# Allegro board T736_DEMO_DBOARD_V0-5-draft.brd (continued)
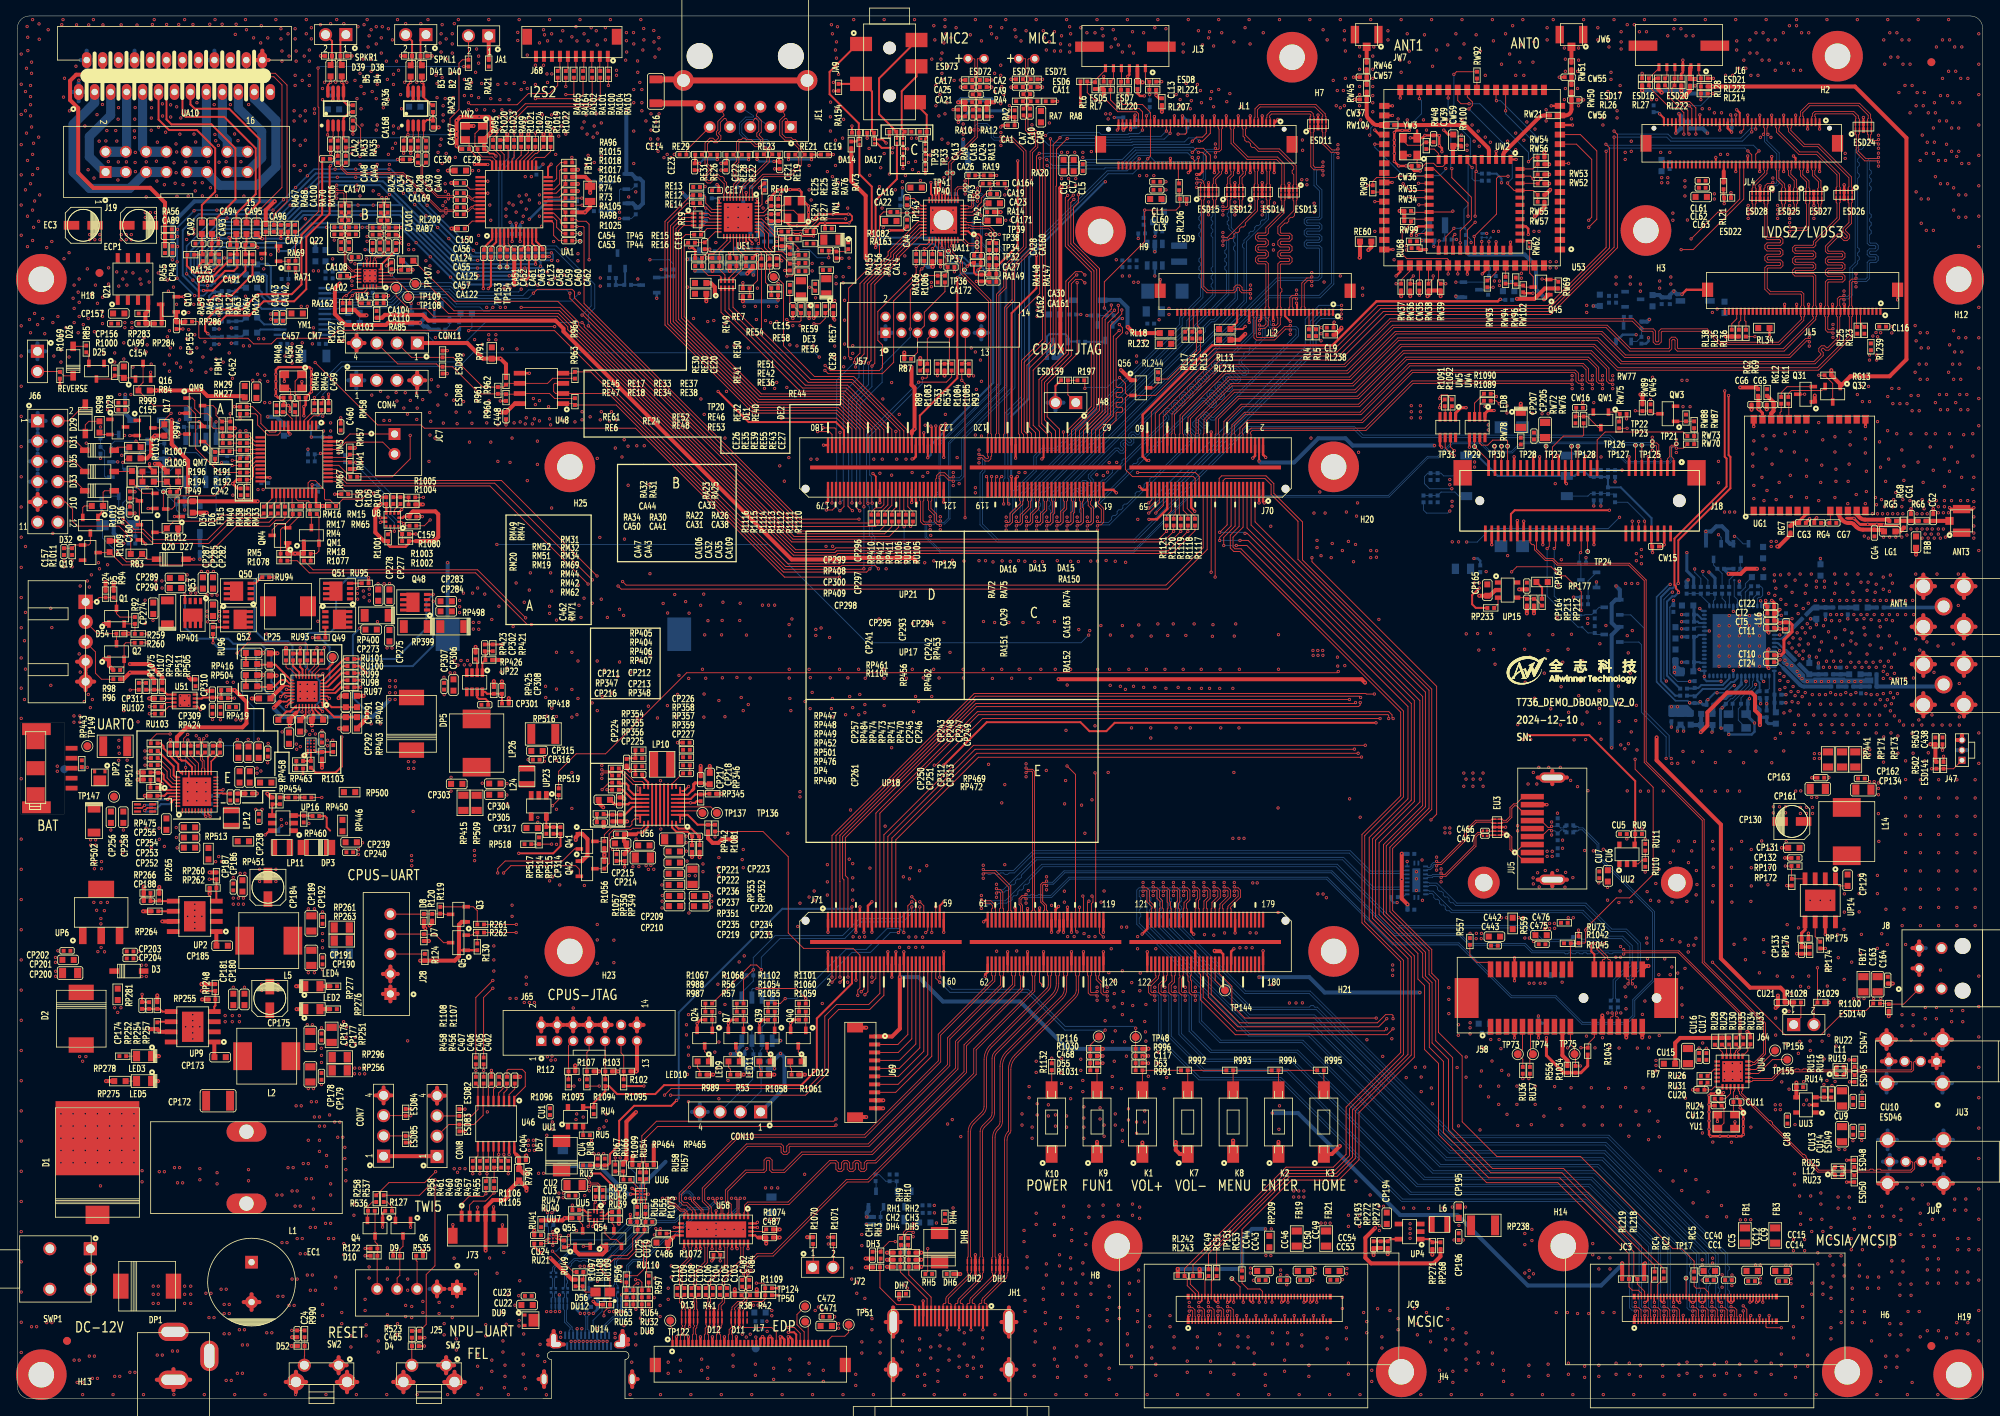
[diagram p0: board, top side]
## Routing (per net, layer and track width the routed paths; a pad name or vN(x,y) marks a point on that pad's centre or on a via; arc(x,y) is an arc through that point) (continued)
LVDS2-D1N: length 135.5
  TOP w0.102: JL4.9 223.77,160.64 223.67,160.74 223.67,161.19 224.54,162.05 230.66,162.05 231.86,160.85 231.86,160.46 231.77,160.37 ESD24.7 ESD24.4 231.77,158.51 231.86,158.41 231.86,157.8 232.28,157.38 233.03,157.38 v1(233.15,157.25) ; v1(228.83,137.73) 228.71,137.85 228.4,137.85 228.3,137.75 228.3,136.99 228.4,136.89 JL5.11 228.4,135.68 228.3,135.59 228.3,132.8 226.91,131.41 226.52,131.41 226.27,131.66 226.12,131.66 225.98,131.52 225.98,131.37 226.23,131.12 226.23,130.73 225.21,129.7 200.88,129.7 197.93,132.65 173.07,132.65 167.35,126.93 152.17,126.93 147.96,122.72 147.96,120.96 148.05,120.87 J70.34
  BOTTOM w0.102: v1(233.15,157.25) 233.03,157.38 231.55,157.38 231.26,157.09 231.26,156.81 231.04,156.59 230.76,156.59 230.54,156.37 230.54,156.07 230.74,155.87 230.74,155.56 230.54,155.36 230.54,155.06 230.74,154.86 230.74,154.55 230.54,154.35 230.54,153.65 230.74,153.45 230.74,153.15 230.54,152.95 230.54,144.3 230.74,144.1 230.74,143.79 230.54,143.59 230.54,143.29 230.74,143.09 230.74,142.78 230.54,142.58 230.54,142.28 229.87,141.61 229.87,138.3 229.42,137.85 228.96,137.85 v1(228.83,137.73)
LVDS2-D1P: length 135.5
  TOP w0.102: v1(228.83,138.28) 228.71,138.16 228.27,138.16 227.99,137.88 227.99,136.99 227.9,136.89 JL5.12 227.9,135.69 228,135.59 228,132.92 226.79,131.72 226.64,131.72 226.39,131.97 226,131.97 225.67,131.64 225.67,131.25 225.92,131 225.92,130.85 225.08,130.01 201.01,130.01 198.06,132.95 172.94,132.95 167.22,127.24 152.04,127.24 147.65,122.85 147.65,120.96 147.55,120.87 J70.36 ; JL4.11 223.27,160.64 223.37,160.74 223.37,161.32 224.41,162.36 230.78,162.36 232.17,160.97 232.17,160.46 232.27,160.37 ESD24.6 ESD24.5 232.27,158.51 232.17,158.41 232.17,157.92 232.41,157.68 233.03,157.68 v1(233.15,157.81)
  BOTTOM w0.102: v1(228.83,138.28) 228.96,138.16 229.29,138.16 229.57,138.43 229.57,141.73 230.24,142.4 230.24,156.5 231.42,157.68 233.03,157.68 v1(233.15,157.81)
LVDS2-D2N: length 137.1
  TOP w0.102: J70.40 146.55,120.87 146.65,120.96 146.65,122.96 151.73,128.04 166.89,128.04 172.61,133.76 198.53,133.76 201.47,130.81 221.95,130.81 224.03,132.89 224.36,132.89 v1(224.49,133.02) ; JL4.15 222.27,159.33 222.18,159.24 222.18,158.95 223.9,157.23 225.68,157.23 229.76,153.15 229.76,151.9 229.85,151.81 ESD26.1 ESD26.10 229.85,149.95 229.76,149.85 229.76,147.28 229.01,146.54 229.01,146.39 229.54,145.86 229.54,145.47 229.22,145.14 228.82,145.14 228.29,145.67 228.15,145.67 226.8,144.33 226.8,143.92 226.9,143.82 228.68,143.82 228.96,143.54 228.96,143.08 228.68,142.8 226.9,142.8 226.8,142.7 226.8,142.5 226.9,142.4 228.68,142.4 228.96,142.12 228.96,141.66 228.68,141.38 226.9,141.38 226.8,141.28 226.8,141.08 226.9,140.97 228.68,140.97 228.96,140.69 228.96,140.24 228.68,139.96 226.9,139.96 226.8,139.86 226.8,136.99 226.9,136.89 JL5.14 226.9,135.68 226.8,135.59 226.8,134.09 226.9,133.99 227.33,133.99 v1(227.45,134.11)
  L3 w0.102: v1(224.49,133.02) 224.63,132.88 225.46,132.88 226.55,133.97 227.31,133.97 v1(227.45,134.11)
LVDS2-D2P: length 137.1
  TOP w0.102: v1(227.45,133.55) 227.32,133.68 226.78,133.68 226.5,133.96 226.5,135.59 226.4,135.69 JL5.15 226.4,136.89 226.5,136.99 226.5,139.98 226.78,140.26 228.55,140.26 228.65,140.36 228.65,140.57 228.55,140.67 226.78,140.67 226.5,140.95 226.5,141.41 226.78,141.69 228.55,141.69 228.65,141.79 228.65,141.99 228.55,142.09 226.78,142.09 226.5,142.37 226.5,142.83 226.78,143.11 228.55,143.11 228.65,143.21 228.65,143.41 228.55,143.51 226.78,143.51 226.5,143.79 226.5,144.45 228.02,145.98 228.42,145.98 228.95,145.45 229.09,145.45 229.24,145.59 229.24,145.74 228.71,146.27 228.71,146.66 229.45,147.41 229.45,149.85 229.35,149.95 ESD26.9 ESD26.2 229.35,151.81 229.45,151.9 229.45,153.02 225.55,156.92 223.77,156.92 221.87,158.82 221.87,159.24 221.77,159.33 JL4.17 ; J70.38 147.05,120.87 146.96,120.96 146.96,122.83 151.86,127.74 167.02,127.74 172.73,133.45 198.4,133.45 201.35,130.51 222.07,130.51 224.16,132.59 224.36,132.59 v1(224.49,132.46)
  L3 w0.102: v1(224.49,132.46) 224.63,132.6 225.58,132.6 226.66,133.69 227.31,133.69 v1(227.45,133.55)
LVDS2-D3N: length 134.6
  TOP w0.102: J70.46 145.05,120.87 144.96,120.96 144.96,123.34 150.95,129.34 166.35,129.34 172.07,135.05 202.31,135.05 203.58,133.78 204.82,133.78 204.92,133.68 204.92,132.44 205.2,132.16 205.66,132.16 205.94,132.44 205.94,133.68 206.04,133.78 211.58,133.78 213.26,132.11 220.75,132.11 223.8,135.15 223.8,135.59 223.9,135.68 JL5.20 223.9,136.89 223.8,136.99 223.8,138.47 223.52,138.75 219.65,138.75 219.22,139.18 219.22,141.61 219.32,141.71 220.9,141.71 221.18,141.99 221.18,142.45 220.9,142.73 219.32,142.73 219.22,142.83 219.22,143.03 219.32,143.14 220.9,143.14 221.18,143.42 221.18,143.87 220.9,144.15 219.32,144.15 219.22,144.25 219.22,144.46 219.32,144.56 220.9,144.56 221.18,144.84 221.18,145.29 220.9,145.57 219.32,145.57 219.22,145.68 219.22,149.72 219.31,149.82 ESD28.10 ESD28.1 219.31,151.68 219.24,151.75 219.24,151.89 219.34,152 219.82,152 v1(219.92,151.89) ; JL4.27 219.27,159.33 219.18,159.24 219.18,158.59 v1(219.3,158.47)
  BOTTOM w0.102: v1(219.3,158.47) 219.18,158.34 219.18,157.68 220.71,156.15 220.71,152.3 220.43,152.02 220.05,152.02 v1(219.92,151.89)
LVDS2-D3P: length 134.6
  TOP w0.102: v1(219.92,152.45) 219.77,152.3 219.22,152.3 218.94,152.02 218.94,151.8 218.81,151.68 ESD28.2 ESD28.9 218.81,149.82 218.91,149.72 218.91,145.55 219.19,145.27 220.78,145.27 220.88,145.17 220.88,144.96 220.78,144.86 219.19,144.86 218.91,144.58 218.91,144.13 219.19,143.85 220.78,143.85 220.88,143.75 220.88,143.54 220.78,143.44 219.19,143.44 218.91,143.16 218.91,142.7 219.19,142.42 220.78,142.42 220.88,142.32 220.88,142.12 220.78,142.02 219.19,142.02 218.91,141.74 218.91,139.05 219.52,138.44 223.39,138.44 223.49,138.34 223.49,136.99 223.4,136.89 JL5.21 223.4,135.68 223.49,135.59 223.49,135.28 220.62,132.41 213.39,132.41 211.71,134.09 205.92,134.09 205.64,133.81 205.64,132.56 205.53,132.46 205.33,132.46 205.23,132.56 205.23,133.81 204.95,134.09 203.71,134.09 202.44,135.36 171.94,135.36 166.23,129.64 150.83,129.64 144.65,123.47 144.65,120.96 144.55,120.87 J70.48 ; JL4.29 218.77,159.33 218.87,159.24 218.87,158.59 v1(218.74,158.47)
  BOTTOM w0.102: v1(218.74,158.47) 218.87,158.34 218.87,157.56 220.41,156.02 220.41,152.43 220.31,152.33 220.05,152.33 v1(219.92,152.45)
LVDS3-CKN: length 103.9
  TOP w0.102: JL4.12 223.27,154.04 223.37,153.94 223.37,153.26 224.14,152.49 224.14,151.78 224.04,151.68 ESD27.5 ESD27.6 224.04,149.82 224.14,149.72 224.14,146.84 224.04,146.74 222.14,146.74 v1(222.02,146.86) ; v1(197.31,127.13) 197.19,127.25 196.8,127.25 196.52,127.53 196.52,128.96 196.04,129.45 174.45,129.45 168.34,123.34 153.86,123.34 152.46,121.94 152.46,120.96 152.55,120.87 J70.16
  L4 w0.102: v1(197.31,127.13) 197.48,127.29 197.73,127.29 197.99,127.56 197.99,128.4 201.04,131.44 208.79,131.44 214.57,137.23 214.57,137.6 214.35,137.82 214.35,137.96 214.64,138.25 214.78,138.25 215,138.03 215.38,138.03 215.83,138.48 215.83,138.86 215.61,139.08 215.61,139.22 215.9,139.51 216.04,139.51 216.26,139.29 216.63,139.29 217.09,139.74 217.09,140.12 216.87,140.34 216.87,140.48 217.16,140.77 217.3,140.77 217.52,140.55 217.89,140.55 218.34,141 218.34,141.38 218.13,141.59 218.13,141.74 218.41,142.02 218.56,142.02 218.77,141.81 219.15,141.81 219.6,142.26 219.6,142.63 219.38,142.85 219.38,142.99 219.67,143.28 219.82,143.28 220.03,143.07 220.41,143.07 220.86,143.52 220.86,143.89 220.64,144.11 220.64,144.25 220.93,144.54 221.07,144.54 221.29,144.32 221.67,144.32 222.88,145.54 222.88,146.46 222.62,146.72 222.16,146.72 v1(222.02,146.86)
LVDS3-CKP: length 104
  TOP w0.102: v1(197.31,127.69) 197.19,127.56 196.93,127.56 196.82,127.66 196.82,129.09 196.16,129.75 174.32,129.75 168.21,123.64 153.73,123.64 152.15,122.06 152.15,120.96 152.05,120.86 J70.18 ; v1(222.02,146.3) 222.14,146.43 224.17,146.43 224.45,146.71 224.45,149.72 224.54,149.82 ESD27.7 ESD27.4 224.54,151.68 224.45,151.78 224.45,152.62 223.67,153.39 223.67,153.94 223.77,154.04 JL4.10
  L4 w0.102: v1(197.31,127.69) 197.43,127.57 197.61,127.57 197.71,127.67 197.71,128.51 200.93,131.72 208.67,131.72 214.29,137.34 214.29,137.49 214.07,137.7 214.07,138.08 214.52,138.53 214.9,138.53 215.12,138.31 215.26,138.31 215.55,138.6 215.55,138.74 215.33,138.96 215.33,139.34 215.78,139.79 216.16,139.79 216.37,139.57 216.52,139.57 216.81,139.86 216.81,140 216.59,140.22 216.59,140.59 217.04,141.05 217.42,141.05 217.63,140.83 217.78,140.83 218.06,141.12 218.06,141.26 217.85,141.48 217.85,141.85 218.3,142.3 218.67,142.3 218.89,142.09 219.03,142.09 219.32,142.37 219.32,142.52 219.1,142.74 219.1,143.11 219.56,143.56 219.93,143.56 220.15,143.34 220.29,143.34 220.58,143.63 220.58,143.78 220.36,143.99 220.36,144.37 220.81,144.82 221.19,144.82 221.41,144.6 221.55,144.6 222.61,145.66 222.61,146.34 222.5,146.44 222.16,146.44 v1(222.02,146.3)
LVDS3-D0N: length 104
  TOP w0.102: v1(216.83,149.02) 216.96,148.89 217.31,148.89 217.41,149 217.41,149.72 217.31,149.82 ESD28.6 ESD28.5 217.31,151.68 217.41,151.78 217.41,152.21 218.87,153.67 218.87,153.94 218.77,154.04 JL4.30 ; v1(194.77,127.69) 194.65,127.56 174.73,127.56 168.81,121.64 154.56,121.64 154.15,121.23 154.15,120.96 154.05,120.86 J70.10
  L4 w0.102: v1(194.77,127.69) 194.91,127.55 195.07,127.55 195.17,127.65 195.17,131.69 197.88,134.39 206.26,134.39 210.6,138.73 210.6,138.87 208.86,140.62 208.86,140.99 209.31,141.44 209.68,141.44 211.42,139.7 211.57,139.7 211.86,139.99 211.86,140.13 210.11,141.88 210.11,142.25 210.56,142.7 210.94,142.7 212.68,140.96 212.83,140.96 213.11,141.25 213.11,141.39 211.37,143.13 211.37,143.51 211.82,143.96 212.2,143.96 213.94,142.22 214.08,142.22 215.52,143.65 215.52,148.34 216.07,148.88 216.69,148.88 v1(216.83,149.02)
LVDS3-D0P: length 104
  TOP w0.102: J70.8 154.55,120.87 154.46,120.96 154.46,121.11 154.69,121.34 168.94,121.34 174.85,127.25 194.65,127.25 v1(194.77,127.13) ; v1(216.83,148.46) 216.96,148.59 217.44,148.59 217.72,148.87 217.72,149.72 217.81,149.82 ESD28.7 ESD28.4 217.81,151.68 217.72,151.78 217.72,152.08 219.18,153.54 219.18,153.94 219.27,154.04 JL4.28
  L4 w0.102: v1(216.83,148.46) 216.69,148.6 216.18,148.6 215.8,148.22 215.8,143.54 214.2,141.94 213.83,141.94 212.08,143.68 211.94,143.68 211.65,143.39 211.65,143.25 213.39,141.51 213.39,141.13 212.94,140.68 212.57,140.68 210.82,142.42 210.68,142.42 210.39,142.13 210.39,141.99 212.14,140.25 212.14,139.87 211.68,139.42 211.31,139.42 209.57,141.16 209.42,141.16 209.13,140.88 209.13,140.73 210.88,138.99 210.88,138.61 206.38,134.11 197.99,134.11 195.45,131.57 195.45,127.53 195.19,127.27 194.91,127.27 v1(194.77,127.13)
LVDS3-D1N: length 103.8
  TOP w0.102: JL4.24 220.27,154.04 220.37,153.94 220.37,152.83 221.09,152.11 221.09,151.78 221,151.68 ESD25.5 ESD25.6 221,149.82 221.09,149.72 221.09,149 220.99,148.89 220.64,148.89 v1(220.52,149.02) ; v1(196.04,127.13) 195.92,127.25 195.53,127.25 195.25,127.53 195.25,128.42 195.06,128.61 174.79,128.61 168.52,122.34 154.27,122.34 153.46,121.52 153.46,120.96 153.55,120.87 J70.12
  L4 w0.102: v1(220.52,149.02) 220.66,148.88 220.97,148.88 221.36,148.49 221.36,146.05 220.23,144.92 219.85,144.92 219.23,145.54 219.09,145.54 218.8,145.25 218.8,145.11 219.42,144.49 219.42,144.11 218.97,143.66 218.59,143.66 217.97,144.28 217.83,144.28 217.54,143.99 217.54,143.85 218.16,143.23 218.16,142.85 217.71,142.4 217.34,142.4 216.71,143.02 216.57,143.02 216.28,142.74 216.28,142.59 216.91,141.97 216.91,141.59 216.45,141.14 216.08,141.14 215.46,141.77 215.31,141.77 215.03,141.48 215.03,141.33 215.65,140.71 215.65,140.34 215.2,139.89 214.82,139.89 214.2,140.51 214.06,140.51 213.77,140.22 213.77,140.08 214.39,139.45 214.39,139.08 207.52,132.21 199.14,132.21 196.75,129.82 196.75,127.53 196.48,127.27 196.18,127.27 v1(196.04,127.13)
LVDS3-D1P: length 103.9
  TOP w0.102: v1(220.52,148.46) 220.64,148.59 221.12,148.59 221.4,148.87 221.4,149.72 221.5,149.82 ESD25.7 ESD25.4 221.5,151.68 221.4,151.78 221.4,152.24 220.67,152.96 220.67,153.94 220.77,154.04 JL4.22 ; v1(196.04,127.69) 195.92,127.56 195.66,127.56 195.55,127.66 195.55,128.55 195.19,128.91 174.67,128.91 168.39,122.64 154.14,122.64 153.15,121.65 153.15,120.96 153.05,120.86 J70.14
  L4 w0.102: v1(220.52,148.46) 220.66,148.6 220.85,148.6 221.08,148.37 221.08,146.17 220.11,145.2 219.97,145.2 219.35,145.82 218.97,145.82 218.52,145.37 218.52,144.99 219.14,144.37 219.14,144.23 218.85,143.94 218.71,143.94 218.09,144.56 217.71,144.56 217.26,144.11 217.26,143.73 217.88,143.11 217.88,142.97 217.6,142.68 217.45,142.68 216.83,143.3 216.46,143.3 216,142.85 216,142.48 216.63,141.85 216.63,141.71 216.34,141.42 216.19,141.42 215.57,142.04 215.2,142.04 214.75,141.59 214.75,141.22 215.37,140.6 215.37,140.45 215.08,140.16 214.94,140.16 214.31,140.79 213.94,140.79 213.49,140.33 213.49,139.96 214.11,139.34 214.11,139.19 207.4,132.49 199.02,132.49 196.47,129.93 196.47,127.65 196.37,127.55 196.18,127.55 v1(196.04,127.69)
LVDS3-D2N: length 103.3
  TOP w0.102: J70.20 151.55,120.87 151.46,120.96 151.46,122.35 153.44,124.34 168.15,124.34 174.05,130.24 196.7,130.24 197.8,129.13 197.8,127.54 198.08,127.25 198.46,127.25 v1(198.58,127.13) ; v1(222.02,149.02) 222.14,148.89 222.49,148.89 222.59,149 222.59,149.72 222.5,149.82 ESD25.9 ESD25.2 222.5,151.68 222.59,151.78 222.59,152.64 221.87,153.36 221.87,153.94 221.77,154.04 JL4.18
  L4 w0.102: v1(222.02,149.02) 222.16,148.88 222.88,148.88 223.65,148.12 223.65,147.79 223.75,147.69 224.12,147.69 224.38,147.42 224.38,146.99 224.12,146.72 223.75,146.72 223.65,146.62 223.65,146.09 223.82,145.91 223.82,145.61 223.65,145.43 223.65,144.78 209.42,130.56 201.55,130.56 201.28,130.29 201.28,130.15 201.77,129.66 201.77,129.28 201.46,128.97 201.09,128.97 200.6,129.46 200.46,129.46 199.25,128.25 199.25,127.53 198.98,127.27 198.72,127.27 v1(198.58,127.13)
LVDS3-D2P: length 103.2
  TOP w0.102: J70.22 151.05,120.86 151.15,120.96 151.15,122.48 153.32,124.64 168.02,124.64 173.92,130.54 196.82,130.54 198.1,129.26 198.1,127.66 198.21,127.56 198.46,127.56 v1(198.58,127.69) ; JL4.16 222.27,154.04 222.18,153.94 222.18,153.49 222.9,152.77 222.9,151.78 223,151.68 ESD25.1 ESD25.10 223,149.82 222.9,149.72 222.9,148.87 222.62,148.59 222.14,148.59 v1(222.02,148.46)
  L4 w0.102: v1(222.02,148.46) 222.16,148.6 222.77,148.6 223.37,148 223.37,147.67 223.63,147.41 224,147.41 224.1,147.31 224.1,147.1 224,147 223.63,147 223.37,146.74 223.37,144.9 209.31,130.84 201.43,130.84 201,130.41 201,130.03 201.49,129.54 201.49,129.4 201.35,129.25 201.21,129.25 200.72,129.74 200.34,129.74 198.97,128.37 198.97,127.65 198.87,127.55 198.72,127.55 v1(198.58,127.69)
LVDS3-D3N: length 103.4
  TOP w0.102: JL4.6 224.77,154.04 224.87,153.94 224.87,153.29 225.64,152.51 225.64,151.78 225.54,151.68 ESD27.2 ESD27.9 225.54,149.82 225.64,149.72 225.64,149 225.54,148.89 225.19,148.89 v1(225.06,149.02) ; v1(199.85,127.13) 199.73,127.25 199.39,127.25 199.09,127.56 199.09,129.03 197.08,131.04 173.72,131.04 168.01,125.34 153.03,125.34 150.46,122.76 150.46,120.96 150.55,120.87 J70.24
  L4 w0.102: v1(199.85,127.13) 199.99,127.27 201.05,127.27 203.58,129.79 209.8,129.79 226.2,146.19 226.2,148.62 225.93,148.88 225.2,148.88 v1(225.06,149.02)
LVDS3-D3P: length 103.5
  TOP w0.102: v1(225.06,148.46) 225.19,148.59 225.67,148.59 225.95,148.87 225.95,149.72 226.04,149.82 ESD27.10 ESD27.1 226.04,151.68 225.95,151.78 225.95,152.64 225.18,153.41 225.18,153.94 225.27,154.04 JL4.4 ; v1(199.85,127.69) 199.73,127.56 199.52,127.56 199.39,127.69 199.39,129.16 197.21,131.34 173.59,131.34 167.89,125.64 152.9,125.64 150.15,122.89 150.15,120.96 150.05,120.86 J70.26
  L4 w0.102: v1(199.85,127.69) 199.99,127.55 200.94,127.55 203.47,130.07 209.69,130.07 225.92,146.3 225.92,148.5 225.82,148.6 225.2,148.6 v1(225.06,148.46)
M-4G-RST: length 168.9
  TOP w0.114: v1(71.5,102.1) 59.2,114.4 40.99,114.4 39.91,115.48 UM3.38 ; v1(187.2,103.63) 187.83,104.27 192.15,104.27 193.29,103.12 193.93,103.12 195.92,101.14 v1(195.92,98.8)
  L3 w0.114: v1(71.5,102.1) 74.06,102.1 76.39,104.43 110.53,104.43 110.96,103.99 170.09,103.99 170.61,103.48 183.49,103.48 183.88,103.09 186.66,103.09 v1(187.2,103.63)
  BOTTOM w0.114: RW79.2 v1(195.92,98.8)
M-4G-SLEEP: length 183.8
  TOP w0.114: v1(72.04,102.62) 59.8,114.74 41.24,114.74 40,115.98 UM3.39 ; RW75.2 v1(201.66,121.62)
  L3 w0.114: v1(72.04,102.62) 73.84,102.62 75.99,104.77 110.67,104.77 111.11,104.34 165.73,104.34 169.2,107.8 181.12,107.8 v1(181.56,107.37)
  L4 w0.114: v1(201.66,121.62) 201.49,121.46 201.49,111.25 v1(200.71,110.46)
  BOTTOM w0.114: v1(181.56,107.37) 182.88,107.37 184.56,109.04 199.29,109.04 v1(200.71,110.46)
M-4GPWR-ON: length 225.4
  TOP w0.114: UM3.40 39.98,116.48 41.38,115.08 60.64,115.08 v1(72.62,103.11) ; v1(162.18,105.41) 162.18,104.9 177.8,89.28 177.8,73.25 v1(177.09,72.54) ; UP14.4 222.31,65.16 RP172.2 222.25,65.19 RP170.2 v1(221.49,66.76)
  L3 w0.114: v1(221.49,66.76) 220.4,67.84 203.78,67.84 199.57,63.63 189.71,63.63 184.07,69.27 178.54,69.27 177.09,70.71 v1(177.09,72.54) ; v1(72.62,103.11) 75.32,105.82 138.63,105.82 139.38,105.07 161.84,105.07 v1(162.18,105.41)
M-ACC: length 48.6
  TOP w0.114: Q17.3 17.96,121.67 R997.1 18.41,122.66 v1(19.25,123.49) ; v1(49.21,120.74) 49.21,117.79 46.96,115.54 RM41.1
  L3 w0.114: v1(19.25,123.49) 19.37,123.49 20.62,124.75 27.65,124.75 29.16,123.24 30.96,123.24 31.2,123.48 31.54,123.48 31.78,123.24 34.88,123.24 35.48,123.85 35.48,124.5 35.72,124.75 46.49,124.75 49.21,122.02 v1(49.21,120.74)
M-AP-PWRON: length 1.4
  TOP w0.114: RM19.2 26.71,118.87 RM34.1
M-BAT-DET: length 2
  TOP w0.114: RM44.1 v1(26.92,116.97)
  BOTTOM w0.114: v1(26.92,116.97) 26.29,116.33 R193.1
M-BRAKE: length 28
  TOP w0.114: RM35.1 31.54,109.86 26.64,109.86 23.98,107.19 17.02,107.19 15.62,108.58 14.29,108.58 v1(13.18,109.69)
  BOTTOM w0.114: R86.1 10.84,113.12 Q15.3 12.7,110.17 v1(13.18,109.69)
M-DCIN-POWER-EN: length 91.3
  TOP w0.254: UP9.4 24.67,49.14 24.81,49.28 RP255.1 24.81,51.05 RP248.1 v1(23.06,51.11) ; RM29.1 v1(27.18,124.33)
  L4 w0.254: v1(27.18,124.33) 27.18,122.85 27.7,122.33 28.76,122.33 29.11,121.97 29.11,113.74 22.03,106.65 18.26,106.65 14.86,103.25 14.86,94.11 17.68,91.29 17.68,79.81 19.96,77.52 19.96,72.32 20.5,71.78 20.5,53.67 v1(23.06,51.11)
M-DISP-5V-EN: length 199.1
  TOP w0.114: RM31.1 v1(27.9,121.28)
  L3 w0.114: v1(27.9,121.28) 28.36,121.75 35.78,121.75 37.59,123.55 41.43,123.55 45.04,119.95 47.77,119.95 48.88,118.83 65.99,118.83 67.33,120.17 71.51,120.17 75.08,116.6 91.64,116.6 92.36,117.33 113.79,117.33 114.4,116.71 117.86,116.71 117.98,116.59 v1(117.98,114.68)
  L4 w0.114: v1(117.98,114.68) 117.98,36.83 108.15,26.99 v1(108.15,21.01)
  BOTTOM w0.114: QH5.1 108.52,23.8 108.15,23.42 RH25.2 RH23.2 v1(108.15,21.01)
M-EXT-POWER-EN: length 76.1
  TOP w0.254: v1(24.05,65.11) RP260.2 24.94,65.02 RP262.2 24.93,64 UP2.4 ; RM27.1 v1(27.9,122.81)
  L4 w0.254: v1(24.05,65.11) 21.38,65.11 21.02,65.47 21.02,71.95 20.45,72.52 20.45,77.72 18.16,80.01 18.16,91.69 15.49,94.36 15.49,102.62 19.05,106.17 22.23,106.17 29.59,113.54 29.59,122.17 28.96,122.81 v1(27.9,122.81)
M-ILL: length 27.9
  TOP w0.114: Q19.3 11.51,106.05 R1009.1 13.16,104.5 23.96,104.5 24.42,104.95 24.42,106.35 27.42,109.35 31.62,109.35 32.38,110.11 33.27,110.11 33.53,110.36 RM33.1
M-MCU-WAKE: length 43.9
  TOP w0.114: R1005.2 v1(50.86,112.97) ; RM46.2 v1(37.21,125.48)
  L4 w0.114: v1(50.86,112.97) 50.86,124.02 55.85,129.01 v1(55.85,130.81)
  BOTTOM w0.114: v1(55.85,130.81) 54.99,129.95 40.59,129.95 38.46,127.81 38.46,126.72 v1(37.21,125.48) RM46.2
M-PMU-WAKEUP: length 1.3
  TOP w0.114: RM32.1 RM51.2
M-PWRON-AP: length 173.9
  TOP w0.114: QM7.3 v1(20.32,120.9) ; J71.109 133.55,62.92 v1(133.48,62.99)
  L3 w0.114: v1(95.5,116.92) 91.65,113.06 64.33,113.06 60.73,116.66 45.38,116.66 41.65,120.39 39.98,120.39 39.69,120.11 21.11,120.11 v1(20.32,120.9) ; v1(98.04,75.44) 132.27,75.44 v1(133.32,74.39)
  L4 w0.114: v1(133.48,62.99) 133.48,70.54 133.32,70.69 v1(133.32,74.39) ; v1(98.04,75.44) 97.46,76.02 97.46,111.66 96.56,112.56 96.56,115.86 96.37,116.05 v1(95.5,116.92)
M-REVERSE: length 23.2
  TOP w0.114: Q16.3 15.75,127.38 15.16,126.8 R84.1 17.09,124.43 21.32,124.43 22.33,123.43 22.33,119.07 25.32,116.08 RM42.1
M-TURN-LEFT: length 29.6
  TOP w0.114: RM38.2 31.12,110.33 26.45,110.33 23.78,107.66 17.09,107.66 15.78,108.97 14.59,108.97 v1(13.21,110.35) ; v1(13.21,117.35) 13.72,117.86 R1006.1
  BOTTOM w0.114: v1(13.21,117.35) 13.21,116.57 13.32,116.46 Q18.3 13.68,112.74 13.21,112.27 v1(13.21,110.35)
M-TURN-RIGHT: length 14.6
  TOP w0.114: Q20.3 18.21,108.58 R1012.1 19.61,109.98 24.87,109.98 25.63,110.74 30.65,110.74 RM40.2
M-WAKEUP-PMU: length 177.5
  TOP w0.114: v1(134.62,62.99) 134.75,62.87 134.75,62.23 134.55,62.04 J71.113 ; v1(26.67,123.44) RM47.1 RM49.1 24.89,123.23 24.89,124.08 24.51,124.46 QM9.3
  L3 w0.114: v1(26.67,123.44) 26.67,122.68 27.05,122.3 34.61,122.3 35.48,123.18 35.48,123.36 36.02,123.89 46.16,123.89 48.39,121.67 48.39,120.07 48.48,119.98 53.31,119.98 54.11,119.18 65.85,119.18 67.29,120.62 71.56,120.62 75.23,116.95 91.48,116.95 92.49,117.95 v1(96.65,117.95) ; v1(98.04,76.07) 133.6,76.07 v1(134.62,75.06)
  L4 w0.114: v1(96.65,117.95) 96.65,116.33 96.95,116.03 96.95,112.73 97.84,111.84 97.84,76.28 v1(98.04,76.07) ; v1(134.62,62.99) v1(134.62,75.06)
MBIAS: length 63.7
  TOP w0.203: UA11.38 v1(117.03,144.5)
  TOP w0.254: RA9.1 CA13.2 v1(117.88,159.98) ; v1(127.66,143.28) 127.66,139.17 124.55,136.06 J70.108 ; CA1.2 124.93,160.63 RA2.1
  TOP w0.381: RA2.1 v1(124.22,160.64)
  L3 w0.254: v1(117.03,144.5) 118.44,144.5 119.66,143.28 v1(127.66,143.28)
  L4 w0.254: v1(117.03,144.5) 117.03,144.54 118.06,145.57 118.06,149.63 117.7,149.99 117.7,159.8 v1(117.88,159.98)
  BOTTOM w0.381: v1(117.88,159.98) 119.32,161.42 123.44,161.42 v1(124.22,160.64)
MBIAS1: length 3.2
  TOP w0.254: CA109.1 45.55,142.11 UA3.5
MBIAS2: length 1.6
  TOP w0.254: UA3.13 42.32,140.74 42.16,140.59 41.45,140.59 CA102.1
MCSIA-CKN: length 90.4
  TOP w0.102: v1(145.03,50.47) 144.91,50.6 144.55,50.6 144.25,50.9 144.25,51.92 144.65,52.32 144.65,52.98 144.55,53.08 J71.134 ; v1(205.09,10.97) 205.21,11.1 205.4,11.1 205.5,11 205.5,10.31 205.46,10.26 JC3.15